# Altium PCB Edison_arduino_5_0826.PcbDoc (part 1 of 6) (continued)
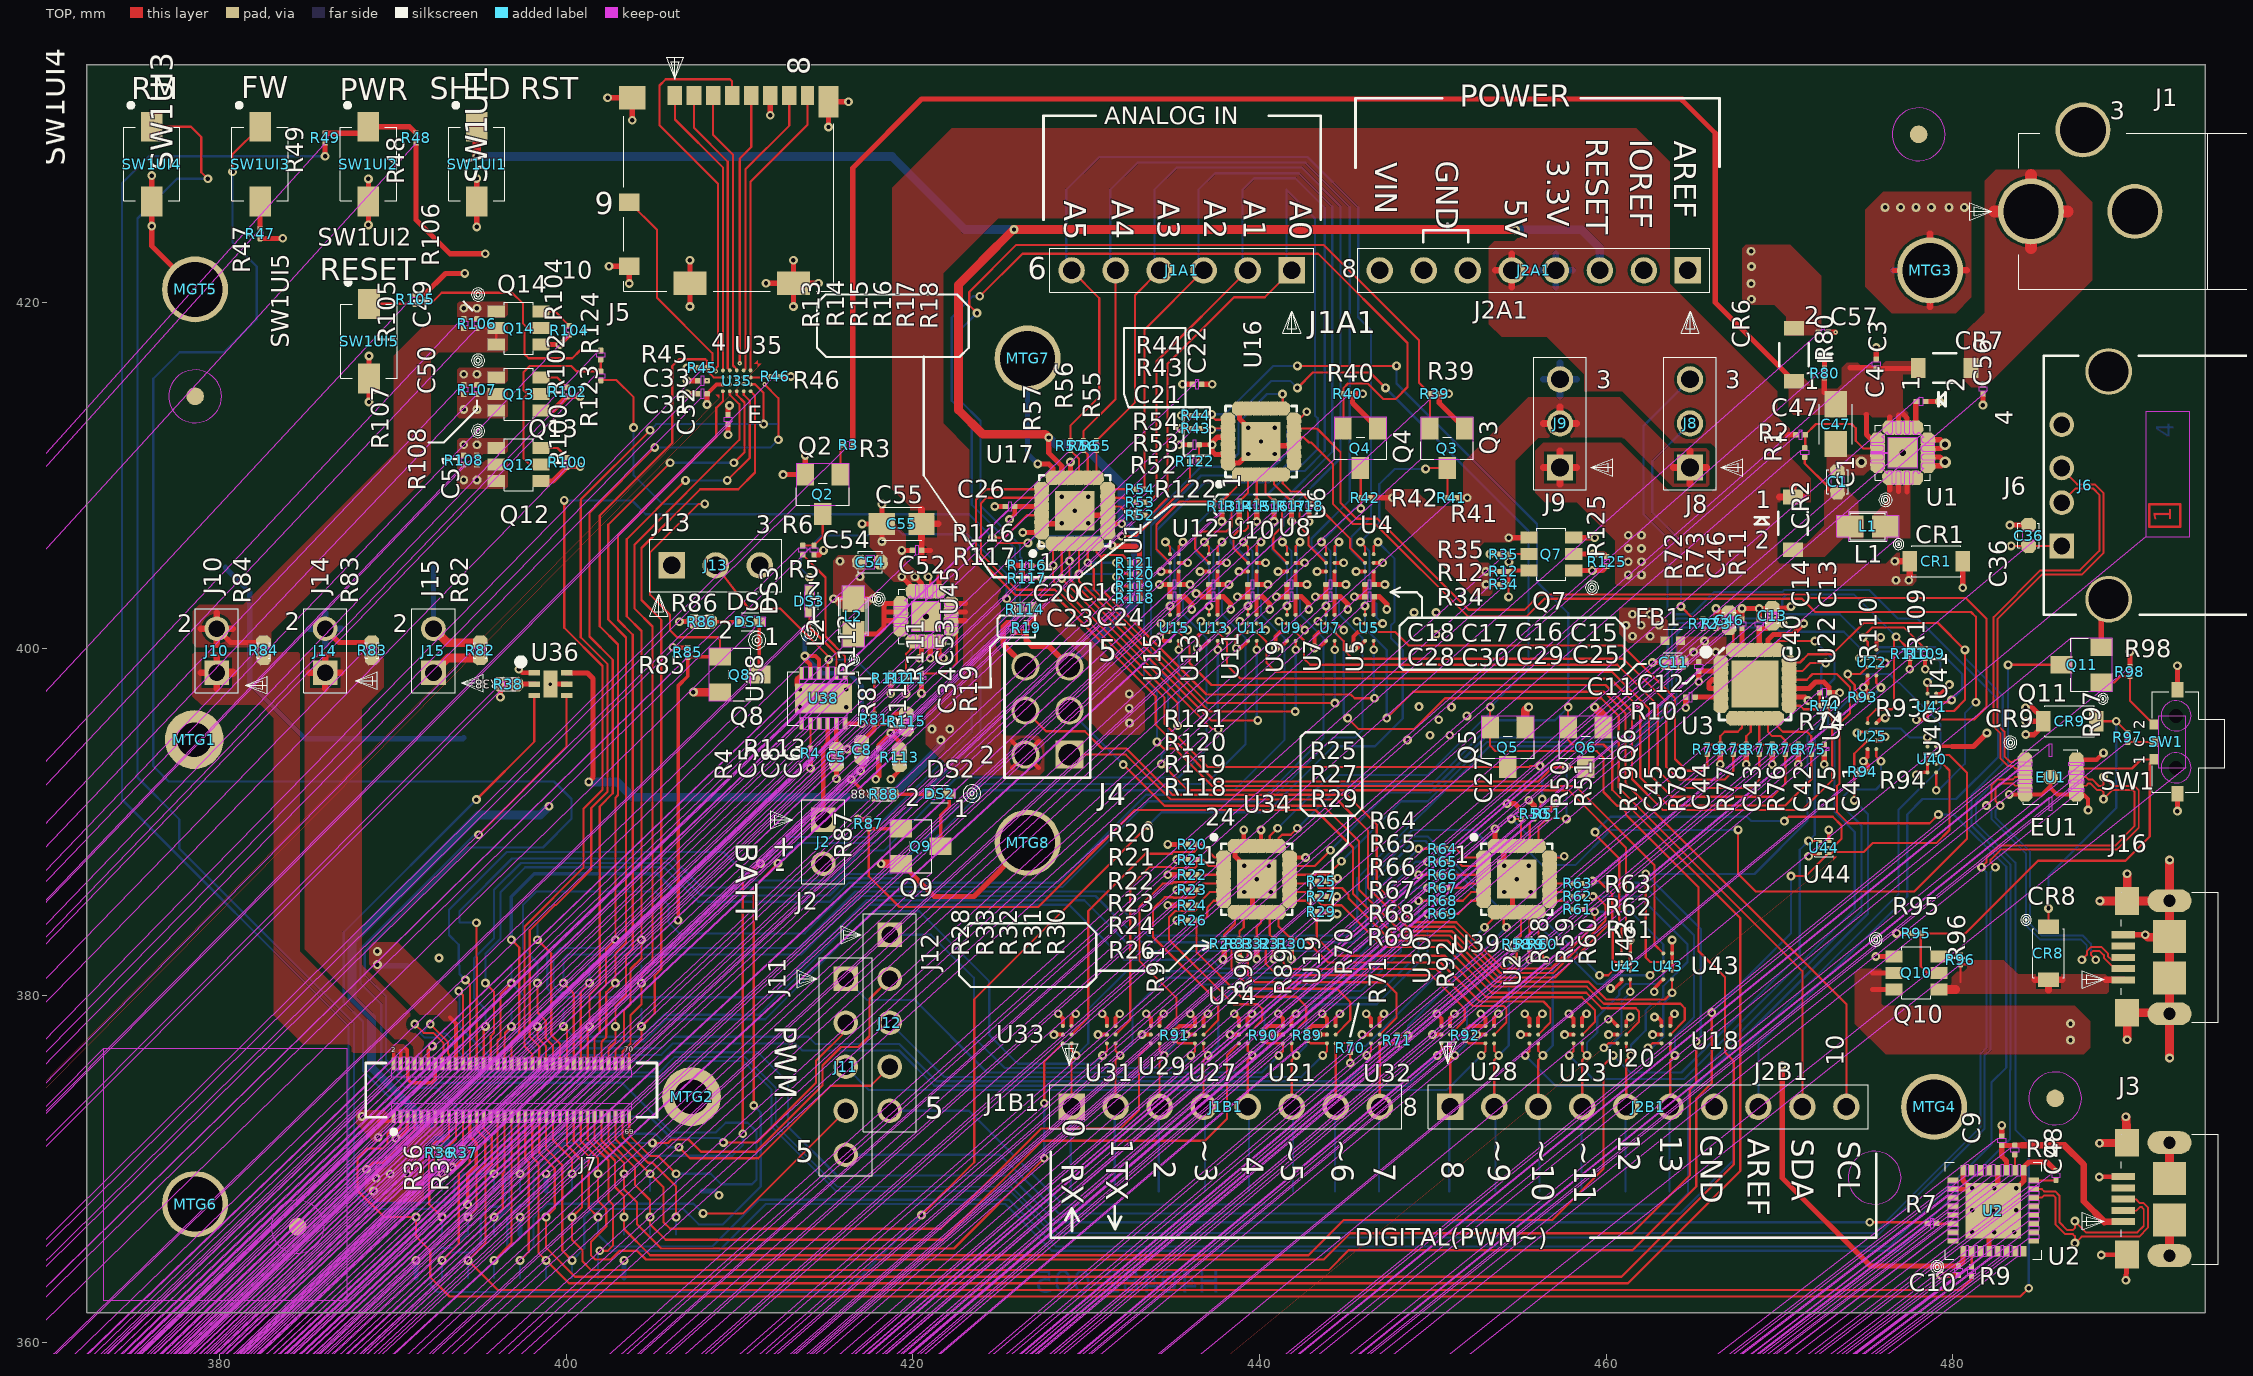
[diagram p0: TOP view]
## Components (designator, comment, footprint, x,y, rotation, side; value= is the part's Value field where it differs from the comment) (continued)
R85 "C80792-002" SMR0201#29 407.01,399.809 r180 top
R86 "RESD,0201,1%,1/20W,562_SMR0402_" SMR0402#3 407.831,401.579 r270 top
R87 "C80792-002" SMR0201#30 417.457,389.903 r180 top
R88 "RESD,0201,1%,1/20W,562_SMR0402_" SMR0402#4 418.325,391.617 r270 top
R89 "C48657-118" SMR0201#8 442.747,377.711 r180 top
R90 "C48657-118" SMR0201#31 440.207,377.711 r180 top
R91 "C48657-118" SMR0201#32 435.102,377.711 r180 top
R92 "C48657-118" SMR0201#33 451.866,377.711 r180 top
R93 "C48657-118" SMR0201#1 474.805,397.221 r90 top
R94 "C48657-118" SMR0201#1 474.805,392.921 r90 top
R95 "C80792-002" SMR0201#1 477.903,383.592 r90 top
R96 "C80792-002" SMR0201#34 480.443,382.068 r180 top
R97 "C80792-002" SMR0201#35 490.095,394.895 r180 top
R98 "C80792-002" SMR0201#1 490.222,398.693 r0 top
R100 "C80792-002" SMR0201#36 400.052,410.77 r180 top
R102 "C80792-002" SMR0201#36 400.052,414.834 r180 top
R104 "C80792-002" SMR0201#36 400.179,418.39 r180 top
R105 "C80792-002" SMR0201#1 391.289,420.168 r0 top
R106 "C80792-002" SMR0201#37 394.845,418.771 r180 top
R107 "C80792-002" SMR0201#37 394.845,414.961 r180 top
R108 "C80792-014" SMR0201#38 394.083,410.897 r180 top
R109 "C80792-002" SMR0201#39 478.411,399.734 r180 top
R110 "C80792-002" SMR0201#40 477.522,399.734 r180 top
R111 "C48657-118" SMR0201#1 419.61,398.324 r0 top
R112 "C48657-088" SMR0201#41 418.721,398.324 r180 top
R113 "C65288-008" SMR0402#2 419.229,393.752 r0 top
R114 "RESD,0201,1%,1/20W,562_SMR0402_" SMR0402#5 426.446,402.292 r90 top
R115 "C65288-008" SMR0402#6 419.623,395.818 r180 top
R116 "C48657-118" SMR0201#42 426.573,404.822 r270 top
R117 "C48657-118" SMR0201#43 426.573,404.072 r270 top
R118 "C48657-118" SMR0201#1 432.806,402.922 r90 top
R119 "C48657-118" SMR0201#1 432.806,403.622 r90 top
R120 "C48657-118" SMR0201#1 432.806,404.322 r90 top
R121 "C48657-118" SMR0201#1 432.806,404.972 r90 top
R122 "C80792-014" SMR0201#1 436.256,410.822 r90 top
R123 "R_0_R0201_0R_C80792-009" R0201#1 401.989,415.756 r0 top
R124 "R_0_R0201_0R_C80792-009" R0201#1 401.989,416.956 r0 top
R125 "C80792-014" SMR0201#44 460.039,405.039 r180 top
SW1 "G99612-001" SW_SSAJ110100_3P 493.524,394.641 r90 top
SW1UI1 "D90553-001" SSW2RPB 394.839,427.971 r0 top
SW1UI2 "D90553-001" SSW2RPB 388.589,427.971 r0 top
SW1UI3 "D90553-001" SSW2RPB 382.339,427.971 r0 top
SW1UI4 "D90553-001" SSW2RPB 376.089,427.971 r0 top
SW1UI5 "D90553-001" SSW2RPB 388.622,417.755 r0 top
TP1 "TESTPAD_30" TP30S 397.139,421.721 r0 bottom
TP2 "TESTPAD_30" TP30S 391.339,363.721 r0 bottom
TP3 "TESTPAD_30" TP30S 380.339,404.721 r0 bottom
TP4 "TESTPAD_30" TP30S 391.339,366.221 r0 bottom
TP5 "TESTPAD_30" TP30S 409.939,396.521 r0 bottom
TP6 "TESTPAD_30" TP30S 389.839,368.721 r0 bottom
TP7 "TESTPAD_30" TP30S 461.039,409.321 r0 bottom
TP8 "TESTPAD_30" TP30S 391.339,368.721 r0 bottom
TP9 "TESTPAD_30" TP30S 386.339,404.721 r0 bottom
TP10 "TESTPAD_30" TP30S 398.839,368.721 r0 bottom
TP11 "TESTPAD_30" TP30S 392.339,404.723 r0 bottom
TP12 "TESTPAD_30" TP30S 397.339,366.221 r0 bottom
TP13 "TESTPAD_30" TP30S 407.839,368.721 r0 bottom
TP14 "TESTPAD_30" TP30S 488.698,392.609 r0 bottom
TP15 "TESTPAD_30" TP30S 403.339,363.721 r0 bottom
TP16 "TESTPAD_30" TP30S 488.698,391.341 r0 bottom
TP17 "TESTPAD_30" TP30S 392.839,366.221 r0 bottom
TP18 "TESTPAD_30" TP30S 390.839,381.721 r0 bottom
TP19 "TESTPAD_30" TP30S 392.839,368.721 r0 bottom
TP20 "TESTPAD_30" TP30S 393.839,379.221 r0 bottom
TP21 "TESTPAD_30" TP30S 392.839,363.721 r0 bottom
TP22 "TESTPAD_30" TP30S 393.839,381.721 r0 bottom
TP23 "TESTPAD_30" TP30S 394.339,368.721 r0 bottom
TP24 "TESTPAD_30" TP30S 393.839,384.221 r0 bottom
TP25 "TESTPAD_30" TP30S 394.339,366.221 r0 bottom
TP26 "TESTPAD_30" TP30S 395.339,379.221 r0 bottom
TP27 "TESTPAD_30" TP30S 394.339,363.721 r0 bottom
TP28 "TESTPAD_30" TP30S 395.339,381.721 r0 bottom
TP29 "TESTPAD_30" TP30S 396.839,381.721 r0 bottom
TP30 "TESTPAD_30" TP30S 395.839,368.721 r0 bottom
TP31 "TESTPAD_30" TP30S 396.839,379.221 r0 bottom
TP32 "TESTPAD_30" TP30S 395.839,366.221 r0 bottom
TP33 "TESTPAD_30" TP30S 396.839,384.221 r0 bottom
TP34 "TESTPAD_30" TP30S 395.839,363.721 r0 bottom
TP35 "TESTPAD_30" TP30S 397.339,368.721 r0 bottom
TP36 "TESTPAD_30" TP30S 397.339,363.721 r0 bottom
TP37 "TESTPAD_30" TP30S 398.839,363.721 r0 bottom
TP38 "TESTPAD_30" TP30S 398.839,366.221 r0 bottom
TP39 "TESTPAD_30" TP30S 398.339,379.221 r0 bottom
TP40 "TESTPAD_30" TP30S 400.339,363.721 r0 bottom
TP41 "TESTPAD_30" TP30S 398.339,381.721 r0 bottom
TP42 "TESTPAD_30" TP30S 400.339,368.721 r0 bottom
TP43 "TESTPAD_30" TP30S 398.339,384.221 r0 bottom
TP44 "TESTPAD_30" TP30S 399.839,379.221 r0 bottom
TP45 "TESTPAD_30" TP30S 400.339,366.221 r0 bottom
TP46 "TESTPAD_30" TP30S 399.839,381.721 r0 bottom
TP47 "TESTPAD_30" TP30S 401.839,366.221 r0 bottom
TP48 "TESTPAD_30" TP30S 401.339,381.721 r0 bottom
TP49 "TESTPAD_30" TP30S 401.839,368.721 r0 bottom
TP50 "TESTPAD_30" TP30S 401.339,379.221 r0 bottom
TP51 "TESTPAD_30" TP30S 401.839,363.721 r0 bottom
TP52 "TESTPAD_30" TP30S 402.839,384.221 r0 bottom
TP53 "TESTPAD_30" TP30S 403.339,366.221 r0 bottom
TP54 "TESTPAD_30" TP30S 402.839,381.721 r0 bottom
TP55 "TESTPAD_30" TP30S 403.339,368.721 r0 bottom
TP56 "TESTPAD_30" TP30S 402.839,379.221 r0 bottom
TP57 "TESTPAD_30" TP30S 404.839,366.221 r0 bottom
TP58 "TESTPAD_30" TP30S 404.339,384.221 r0 bottom
TP59 "TESTPAD_30" TP30S 404.839,368.721 r0 bottom
TP60 "TESTPAD_30" TP30S 404.339,381.721 r0 bottom
TP61 "TESTPAD_30" TP30S 406.339,366.221 r0 bottom
TP62 "TESTPAD_30" TP30S 404.339,379.221 r0 bottom
TP63 "TESTPAD_30" TP30S 406.339,368.721 r0 bottom
TP64 "TESTPAD_30" TP30S 441.554,426.491 r0 bottom
TP65 "TESTPAD_30" TP30S 439.014,426.491 r0 bottom
TP66 "TESTPAD_30" TP30S 436.474,426.491 r0 bottom
TP67 "TESTPAD_30" TP30S 433.934,426.491 r0 bottom
TP68 "TESTPAD_30" TP30S 431.394,426.491 r0 bottom
TP69 "TESTPAD_30" TP30S 428.854,426.491 r0 bottom
TP70 "TESTPAD_30" TP30S 429.108,368.706 r0 bottom
TP71 "TESTPAD_30" TP30S 431.648,368.706 r0 bottom
TP72 "TESTPAD_30" TP30S 434.188,368.706 r0 bottom
TP73 "TESTPAD_30" TP30S 436.855,368.706 r0 bottom
TP74 "TESTPAD_30" TP30S 439.395,368.706 r0 bottom
TP75 "TESTPAD_30" TP30S 441.935,368.706 r0 bottom
TP76 "TESTPAD_30" TP30S 444.348,368.706 r0 bottom
TP77 "TESTPAD_30" TP30S 446.888,368.706 r0 bottom
TP78 "TESTPAD_30" TP30S 450.952,368.706 r0 bottom
TP79 "TESTPAD_30" TP30S 453.619,368.706 r0 bottom
TP80 "TESTPAD_30" TP30S 456.159,368.706 r0 bottom
TP81 "TESTPAD_30" TP30S 458.572,368.706 r0 bottom
TP82 "TESTPAD_30" TP30S 461.112,368.706 r0 bottom
TP83 "TESTPAD_30" TP30S 463.652,368.706 r0 bottom
TP84 "TESTPAD_30" TP30S 413.768,400.61 r0 bottom
TP85 "TESTPAD_30" TP30S 487.047,366.989 r0 bottom
TP86 "TESTPAD_30" TP30S 487.047,365.719 r0 bottom
TP87 "TESTPAD_30" TP30S 412.189,412.972 r0 bottom
TP88 "TESTPAD_30" TP30S 422.489,407.772 r180 bottom
U1 "TPS62133_0_LCC16_3X3MM_67DIE_39" LCC16_3X3MM_67DIE_39H#1 477.113,411.322 r90 top
U2 "FT232R_0_LCC32_P5MM_3P2SQ_NONC_" LCC32_P5MM_3P2SQ_NONC 482.348,367.59 r90 top
U3 "ADS7959_0_QFN24P_5M_4X4M_ADS795" QFN24P_5M_4X4M 468.589,397.971 r0 top
U4 "G42189-001" BGA6_5MM_37X57 446.339,404.971 r180 top
U5 "LVC2G53" BGA8P_5MG2X4 446.339,401.221 r0 top
U6 "G42189-001" BGA6_5MM_37X57 444.089,404.971 r180 top
U7 "LVC2G53" BGA8P_5MG2X4 444.089,401.221 r0 top
U8 "G42189-001" BGA6_5MM_37X57 441.839,404.971 r180 top
U9 "LVC2G53" BGA8P_5MG2X4 441.839,401.221 r0 top
U10 "G42189-001" BGA6_5MM_37X57 439.589,404.971 r180 top
U11 "LVC2G53" BGA8P_5MG2X4 439.589,401.221 r0 top
U12 "G42189-001" BGA6_5MM_37X57 437.339,404.971 r180 top
U13 "LVC2G53" BGA8P_5MG2X4 437.339,401.221 r0 top
U14 "G42189-001" BGA6_5MM_37X57 435.089,404.971 r180 top
U15 "LVC2G53" BGA8P_5MG2X4 435.089,401.221 r0 top
U16 "H31921-001" LCC25_S41_5DF89X89MA#1 440.089,411.971 r90 top
U17 "H47895-001" LCC25_S41_5DF89X89MA#1 429.339,407.971 r90 top
U18 "G42189-001" BGA6_5MM_37X57 463.448,377.749 r0 top
U19 "G42189-001" BGA6_5MM_37X57 444.144,377.749 r0 top
U20 "G42189-001" BGA6_5MM_37X57 460.908,377.749 r0 top
U21 "G42189-001" BGA6_5MM_37X57 441.604,377.749 r0 top
U22 "LVC2G53" BGA8P_5MG2X4 475.339,399.221 r180 top
U23 "G42189-001" BGA6_5MM_37X57 458.368,377.749 r0 top
U24 "G42189-001" BGA6_5MM_37X57 439.064,377.749 r0 top
U25 "LVC2G53" BGA8P_5MG2X4 475.339,394.971 r180 top
U26 "G42189-001" BGA6_5MM_37X57 455.828,377.749 r0 top
U27 "G42189-001" BGA6_5MM_37X57 436.524,377.749 r0 top
U28 "G42189-001" BGA6_5MM_37X57 453.288,377.749 r0 top
U29 "G42189-001" BGA6_5MM_37X57 433.984,377.749 r0 top
U30 "G42189-001" BGA6_5MM_37X57 450.748,377.749 r0 top
U31 "G42189-001" BGA6_5MM_37X57 431.444,377.749 r0 top
U32 "G42189-001" BGA6_5MM_37X57 446.684,377.749 r0 top
U33 "G42189-001" BGA6_5MM_37X57 428.904,377.749 r0 top
U34 "H31921-001" LCC25_S41_5DF89X89MA#2 439.839,386.721 r0 top
U35 "TXS0206" BGA20_P4MM_1P96X1P56 409.839,415.471 r90 top
U36 "IC,MIC2039,USBPWRSWTCH_0_DFN6P_" DFN6P_65M_2X2M 399.089,397.971 r0 top
U38 "G38734-001" LCC12_P5MM_3X4MM 414.838,397.151 r180 top
U39 "H47895-001" LCC25_S41_5DF89X89MA#2 454.839,386.721 r0 top
U40 "LVC2G53" BGA8P_5MG2X4 478.792,393.625 r0 top
U41 "LVC2G53" BGA8P_5MG2X4 478.792,396.673 r0 top
U42 "LVC2G53" BGA8P_5MG2X4 461.139,381.687 r180 top
U43 "LVC2G53" BGA8P_5MG2X4 463.552,381.687 r180 top
U44 "H22984-001" LCC6_P35MM_SQ1P0_NONC_P5H 472.569,388.545 r90 top
U45 "TPS62133_0_LCC16_3X3MM_67DIE__1" LCC16_3X3MM_67DIE_39H#2 420.753,401.88 r0 top

## Footprints (in the part's own frame and the unit in brackets; to place one, negate y for a bottom-side part, rotate by r counter-clockwise, add the part's x,y. Pads: shape width x height; smd on the part's side, far side on the other; paste and mask are expansions set on the pad)
1X6RCPT_2P54_VT_TH [mil] "1X6RCPT_2P54_VT_TH"
  rect 60x60 hole 40: 1(-250,0)
  round 60 hole 40: 2(-150,0) 3(-50,0) 4(50,0) 5(150,0) 6(250,0)
  silkscreen extent -300,-50 300,143
1X8RCPT_2P54_VT_TH [mil] "1X8RCPT_2P54_VT_TH"
  rect 60x60 hole 40: 1(-350,0)
  round 60 hole 40: 2(-250,0) 3(-150,0) 4(-50,0) 5(50,0) 6(150,0) 7(250,0) 8(350,0)
  silkscreen extent -400,-50 400,143
1X10RCPT_2P54_VT_TH [mil] "1X10RCPT_2P54_VT_TH"
  rect 60x60 hole 40: 1(-450,0)
  round 60 hole 40: 2(-350,0) 3(-250,0) 4(-150,0) 5(-50,0) 6(50,0) 7(150,0) 8(250,0) 9(350,0) 10(450,0)
  silkscreen extent -500,-50 500,148
2X35_P4MM_BTB_AXT_SKT_MB [mm] "2X35_P4MM_BTB_AXT_SKT_MB"
  rect 0.22x0.727 smd: 1(-6.8,-1.529) 2(-6.8,1.529) 3(-6.4,-1.529) 4(-6.4,1.529) 5(-6,-1.529) 6(-6,1.529) 7(-5.6,-1.529) 8(-5.6,1.529) 9(-5.2,-1.529) 10(-5.2,1.529) 11(-4.8,-1.529) 12(-4.8,1.529) 13(-4.4,-1.529) 14(-4.4,1.529) 15(-4,-1.529) 16(-4,1.529) 17(-3.6,-1.529) 18(-3.6,1.529) 19(-3.2,-1.529) 20(-3.2,1.529) 21(-2.8,-1.529) 22(-2.8,1.529) 23(-2.4,-1.529) 24(-2.4,1.529) 25(-2,-1.529) 26(-2,1.529) 27(-1.6,-1.529) 28(-1.6,1.529) 29(-1.2,-1.529) 30(-1.2,1.529) 31(-0.8,-1.529) 32(-0.8,1.529) 33(-0.4,-1.529) 34(-0.4,1.529) 35(0,-1.529) 36(0,1.529) 37(0.4,-1.529) 38(0.4,1.529) 39(0.8,-1.529) 40(0.8,1.529) 41(1.2,-1.529) 42(1.2,1.529) 43(1.6,-1.529) 44(1.6,1.529) 45(2,-1.529) 46(2,1.529) 47(2.4,-1.529) 48(2.4,1.529) 49(2.8,-1.529) 50(2.8,1.529) 51(3.2,-1.529) 52(3.2,1.529) 53(3.6,-1.529) 54(3.6,1.529) 55(4,-1.529) 56(4,1.529) 57(4.4,-1.529) 58(4.4,1.529) 59(4.8,-1.529) 60(4.8,1.529) 61(5.2,-1.529) 62(5.2,1.529) 63(5.6,-1.529) 64(5.6,1.529) 65(6,-1.529) 66(6,1.529) 67(6.4,-1.529) 68(6.4,1.529) 69(6.8,-1.529) 70(6.8,1.529)
  TOP keep-out region: 6.51,-1.893 6.51,-1.165 6.69,-1.165 6.69,-1.893 6.51,-1.893 -396.839,-374.544
  TOP keep-out region: 6.51,1.892 6.51,1.165 6.69,1.165 6.69,1.892 6.51,1.892 -396.839,-374.544
  TOP keep-out region: 6.11,-1.893 6.11,-1.165 6.29,-1.165 6.29,-1.893 6.11,-1.893 -396.839,-374.544
  TOP keep-out region: 6.11,1.892 6.11,1.165 6.29,1.165 6.29,1.892 6.11,1.892 -396.839,-374.544
  TOP keep-out region: 5.71,-1.893 5.71,-1.165 5.89,-1.165 5.89,-1.893 5.71,-1.893 -396.839,-374.544
  TOP keep-out region: 5.71,1.892 5.71,1.165 5.89,1.165 5.89,1.892 5.71,1.892 -396.839,-374.544
  TOP keep-out region: 5.31,-1.893 5.31,-1.165 5.49,-1.165 5.49,-1.893 5.31,-1.893 -396.839,-374.544
  TOP keep-out region: 5.31,1.892 5.31,1.165 5.49,1.165 5.49,1.892 5.31,1.892 -396.839,-374.544
  TOP keep-out region: 4.91,-1.893 4.91,-1.165 5.09,-1.165 5.09,-1.893 4.91,-1.893 -396.839,-374.544
  TOP keep-out region: 4.91,1.892 4.91,1.165 5.09,1.165 5.09,1.892 4.91,1.892 -396.839,-374.544
  TOP keep-out region: 4.51,-1.893 4.51,-1.165 4.69,-1.165 4.69,-1.893 4.51,-1.893 -396.839,-374.544
  TOP keep-out region: 4.51,1.892 4.51,1.165 4.69,1.165 4.69,1.892 4.51,1.892 -396.839,-374.544
  TOP keep-out region: 4.11,-1.893 4.11,-1.165 4.29,-1.165 4.29,-1.893 4.11,-1.893 -396.839,-374.544
  TOP keep-out region: 4.11,1.892 4.11,1.165 4.29,1.165 4.29,1.892 4.11,1.892 -396.839,-374.544
  TOP keep-out region: 3.71,-1.893 3.71,-1.165 3.89,-1.165 3.89,-1.893 3.71,-1.893 -396.839,-374.544
  TOP keep-out region: 3.71,1.892 3.71,1.165 3.89,1.165 3.89,1.892 3.71,1.892 -396.839,-374.544
  TOP keep-out region: 3.31,-1.893 3.31,-1.165 3.49,-1.165 3.49,-1.893 3.31,-1.893 -396.839,-374.544
  TOP keep-out region: 3.31,1.892 3.31,1.165 3.49,1.165 3.49,1.892 3.31,1.892 -396.839,-374.544
  TOP keep-out region: 2.91,-1.893 2.91,-1.165 3.09,-1.165 3.09,-1.893 2.91,-1.893 -396.839,-374.544
  TOP keep-out region: 2.91,1.892 2.91,1.165 3.09,1.165 3.09,1.892 2.91,1.892 -396.839,-374.544
  TOP keep-out region: 2.51,-1.893 2.51,-1.165 2.69,-1.165 2.69,-1.893 2.51,-1.893 -396.839,-374.544
  TOP keep-out region: 2.51,1.892 2.51,1.165 2.69,1.165 2.69,1.892 2.51,1.892 -396.839,-374.544
  TOP keep-out region: 2.11,-1.893 2.11,-1.165 2.29,-1.165 2.29,-1.893 2.11,-1.893 -396.839,-374.544
  TOP keep-out region: 2.11,1.892 2.11,1.165 2.29,1.165 2.29,1.892 2.11,1.892 -396.839,-374.544
  TOP keep-out region: 1.71,-1.893 1.71,-1.165 1.89,-1.165 1.89,-1.893 1.71,-1.893 -396.839,-374.544
  TOP keep-out region: 1.71,1.892 1.71,1.165 1.89,1.165 1.89,1.892 1.71,1.892 -396.839,-374.544
  TOP keep-out region: 1.31,-1.893 1.31,-1.165 1.49,-1.165 1.49,-1.893 1.31,-1.893 -396.839,-374.544
  TOP keep-out region: 1.31,1.892 1.31,1.165 1.49,1.165 1.49,1.892 1.31,1.892 -396.839,-374.544
  TOP keep-out region: 0.91,-1.893 0.91,-1.165 1.09,-1.165 1.09,-1.893 0.91,-1.893 -396.839,-374.544
  TOP keep-out region: 0.91,1.892 0.91,1.165 1.09,1.165 1.09,1.892 0.91,1.892 -396.839,-374.544
  TOP keep-out region: 0.51,-1.893 0.51,-1.165 0.69,-1.165 0.69,-1.893 0.51,-1.893 -396.839,-374.544
  TOP keep-out region: 0.51,1.892 0.51,1.165 0.69,1.165 0.69,1.892 0.51,1.892 -396.839,-374.544
  TOP keep-out region: 0.11,-1.893 0.11,-1.165 0.29,-1.165 0.29,-1.893 0.11,-1.893 -396.839,-374.544
  TOP keep-out region: 0.11,1.892 0.11,1.165 0.29,1.165 0.29,1.892 0.11,1.892 -396.839,-374.544
  TOP keep-out region: -0.29,-1.893 -0.29,-1.165 -0.11,-1.165 -0.11,-1.893 -0.29,-1.893 -396.839,-374.544
  TOP keep-out region: -0.29,1.892 -0.29,1.165 -0.11,1.165 -0.11,1.892 -0.29,1.892 -396.839,-374.544
  TOP keep-out region: -0.69,-1.893 -0.69,-1.165 -0.51,-1.165 -0.51,-1.893 -0.69,-1.893 -396.839,-374.544
  TOP keep-out region: -0.69,1.892 -0.69,1.165 -0.51,1.165 -0.51,1.892 -0.69,1.892 -396.839,-374.544
  TOP keep-out region: -1.09,-1.893 -1.09,-1.165 -0.91,-1.165 -0.91,-1.893 -1.09,-1.893 -396.839,-374.544
  TOP keep-out region: -1.09,1.892 -1.09,1.165 -0.91,1.165 -0.91,1.892 -1.09,1.892 -396.839,-374.544
  TOP keep-out region: -1.49,-1.893 -1.49,-1.165 -1.31,-1.165 -1.31,-1.893 -1.49,-1.893 -396.839,-374.544
  TOP keep-out region: -1.49,1.892 -1.49,1.165 -1.31,1.165 -1.31,1.892 -1.49,1.892 -396.839,-374.544
  TOP keep-out region: -1.89,-1.893 -1.89,-1.165 -1.71,-1.165 -1.71,-1.893 -1.89,-1.893 -396.839,-374.544
  TOP keep-out region: -1.89,1.892 -1.89,1.165 -1.71,1.165 -1.71,1.892 -1.89,1.892 -396.839,-374.544
  TOP keep-out region: -2.29,-1.893 -2.29,-1.165 -2.11,-1.165 -2.11,-1.893 -2.29,-1.893 -396.839,-374.544
  TOP keep-out region: -2.29,1.892 -2.29,1.165 -2.11,1.165 -2.11,1.892 -2.29,1.892 -396.839,-374.544
  TOP keep-out region: -2.69,-1.893 -2.69,-1.165 -2.51,-1.165 -2.51,-1.893 -2.69,-1.893 -396.839,-374.544
  TOP keep-out region: -2.69,1.892 -2.69,1.165 -2.51,1.165 -2.51,1.892 -2.69,1.892 -396.839,-374.544
  TOP keep-out region: -3.09,-1.893 -3.09,-1.165 -2.91,-1.165 -2.91,-1.893 -3.09,-1.893 -396.839,-374.544
  TOP keep-out region: -3.09,1.892 -3.09,1.165 -2.91,1.165 -2.91,1.892 -3.09,1.892 -396.839,-374.544
  TOP keep-out region: -3.49,-1.893 -3.49,-1.165 -3.31,-1.165 -3.31,-1.893 -3.49,-1.893 -396.839,-374.544
  TOP keep-out region: -3.49,1.892 -3.49,1.165 -3.31,1.165 -3.31,1.892 -3.49,1.892 -396.839,-374.544
  TOP keep-out region: -3.89,-1.893 -3.89,-1.165 -3.71,-1.165 -3.71,-1.893 -3.89,-1.893 -396.839,-374.544
  TOP keep-out region: -3.89,1.892 -3.89,1.165 -3.71,1.165 -3.71,1.892 -3.89,1.892 -396.839,-374.544
  TOP keep-out region: -4.29,-1.893 -4.29,-1.165 -4.11,-1.165 -4.11,-1.893 -4.29,-1.893 -396.839,-374.544
  TOP keep-out region: -4.29,1.892 -4.29,1.165 -4.11,1.165 -4.11,1.892 -4.29,1.892 -396.839,-374.544
  TOP keep-out region: -4.69,-1.893 -4.69,-1.165 -4.51,-1.165 -4.51,-1.893 -4.69,-1.893 -396.839,-374.544
  TOP keep-out region: -4.69,1.892 -4.69,1.165 -4.51,1.165 -4.51,1.892 -4.69,1.892 -396.839,-374.544
  TOP keep-out region: -5.09,-1.893 -5.09,-1.165 -4.91,-1.165 -4.91,-1.893 -5.09,-1.893 -396.839,-374.544
  TOP keep-out region: -5.09,1.892 -5.09,1.165 -4.91,1.165 -4.91,1.892 -5.09,1.892 -396.839,-374.544
  TOP keep-out region: -5.49,-1.893 -5.49,-1.165 -5.31,-1.165 -5.31,-1.893 -5.49,-1.893 -396.839,-374.544
  TOP keep-out region: -5.49,1.892 -5.49,1.165 -5.31,1.165 -5.31,1.892 -5.49,1.892 -396.839,-374.544
  TOP keep-out region: -5.89,-1.893 -5.89,-1.165 -5.71,-1.165 -5.71,-1.893 -5.89,-1.893 -396.839,-374.544
  TOP keep-out region: -5.89,1.892 -5.89,1.165 -5.71,1.165 -5.71,1.892 -5.89,1.892 -396.839,-374.544
  TOP keep-out region: -6.29,-1.893 -6.29,-1.165 -6.11,-1.165 -6.11,-1.893 -6.29,-1.893 -396.839,-374.544
  TOP keep-out region: -6.29,1.892 -6.29,1.165 -6.11,1.165 -6.11,1.892 -6.29,1.892 -396.839,-374.544
  TOP keep-out region: -6.69,-1.893 -6.69,-1.165 -6.51,-1.165 -6.51,-1.893 -6.69,-1.893 -396.839,-374.544
  TOP keep-out region: -6.69,1.892 -6.69,1.165 -6.51,1.165 -6.51,1.892 -6.69,1.892 -396.839,-374.544
  TOP keep-out region: -6.91,0.75 -6.91,1.165 6.91,1.165 6.91,0.75 -6.91,0.75 -396.839,-374.544
  TOP keep-out region: -6.91,-1.165 -6.91,-0.75 6.91,-0.75 6.91,-1.165 -6.91,-1.165 -396.839,-374.544
  silkscreen extent -8.4,-2.53 8.4,1.57
102276-001 [mil] "102276-001"
  rect 56x56 hole 38: 1(0,50)
  round 56 hole 38: 2(0,-50)
  silkscreen extent -120,-95 49,95
102276-003 [mil] "102276-003"
  rect 60x60 hole 40: 1(-2.5,102.5)
  round 60 hole 40: 2(-2.5,2.5) 3(-2.5,-97.5)
  silkscreen extent -123,-147 58,152
102276-005 [mil] "102276-005"
  rect 56x56 hole 38: 1(0,200)
  round 56 hole 38: 2(0,100) 3(0,0) 4(0,-100) 5(0,-200)
  silkscreen extent -110,-248 60,248
BGA6_5MM_37X57 [mil] "BGA6_5MM_37X57"
  round 9 smd: A1(-9.9,19.7) A2(9.9,19.7) B1(-9.9,0) B2(9.9,0) C1(-9.9,-19.7) C2(9.9,-19.7)
  silkscreen extent -47,20 -31,36
BGA8P_5MG2X4 [mm] "BGA8P_5MG2X4"
  round 0.229 smd: A1(-0.25,0.75) A2(0.25,0.75) B1(-0.25,0.25) B2(0.25,0.25) C1(-0.25,-0.25) C2(0.25,-0.25) D1(-0.25,-0.75) D2(0.25,-0.75)
BGA20_P4MM_1P96X1P56 [mil] "BGA20_P4MM_1P96X1P56"
  round 9 smd: A1(-23.63,31.5) A2(-7.88,31.5) A3(7.88,31.5) A4(23.63,31.5) B1(-23.63,15.75) B2(-7.88,15.75) B3(7.88,15.75) B4(23.63,15.75) C1(-23.63,0) C2(-7.88,0) C3(7.88,0) C4(23.63,0) D1(-23.63,-15.75) D2(-7.88,-15.75) D3(7.88,-15.75) D4(23.63,-15.75) E1(-23.63,-31.5) E2(-7.88,-31.5) E3(7.88,-31.5) E4(23.63,-31.5)
  TOP region: 30.63,-47.37 38.5,-47.37 38.5,-39.5 46.37,-47.37 38.53,-47.37 38.5,-47.4 38.5,-55.24 30.63,-47.37 -16357.14,16135.38
  TOP region: -39.37,39.37 -31.55,39.37 -31.51,39.37 -31.5,39.37 -31.5,39.39 -31.5,39.43 -31.5,47.24 -39.37,39.37 -16357.14,16135.38
C0201#1 [mil] "C0201"
  rrect33% 12x13 smd: 1(0,10.5) 2(0,-10.5)
  TOP keep-out region: -10,4 -10,-4 10,-4 10,4 -10,4 -18723.96,-16395.85
C0201#2 [mil] "C0201"
  rrect33% 12x13 smd: 1(0,10.5) 2(0,-10.5)
  TOP keep-out region: -10,4 -10,-4 10,-4 10,4 -10,4 16458.04,15511.22
C0201#3 [mil] "C0201"
  rrect33% 12x13 smd: 1(0,10.5) 2(0,-10.5)
  TOP keep-out region: -10,4 -10,-4 10,-4 10,4 -10,4 18910.54,14335.71
C0201#4 [mil] "C0201"
  rrect33% 12x13 smd: 1(0,10.5) 2(0,-10.5)
  TOP keep-out region: -10,4 -10,-4 10,-4 10,4 -10,4 18320.42,15708.19
C0201#5 [mil] "C0201"
  rrect33% 12x13 smd: 1(0,10.5) 2(0,-10.5)
  TOP keep-out region: -10,4 -10,-4 10,-4 10,4 -10,4 16349.31,-17180.78
C0201#6 [mil] "C0201"
  rrect33% 12x13 smd: 1(0,10.5) 2(0,-10.5)
  TOP keep-out region: -10,4 -10,-4 10,-4 10,4 -10,4 16115.69,16269.22
C0201#7 [mil] "C0201"
  rrect33% 12x13 smd: 1(0,10.5) 2(0,-10.5)
  TOP keep-out region: -10,4 -10,-4 10,-4 10,4 -10,4 18966.12,16338.15
CONN4_D23040001 [mil] "CONN4_D23040001"
  rect 56x56 hole 38: 1(-137.75,235.9)
  round 56 hole 38: 2(-39.32,235.9) 3(39.42,235.9) 4(137.85,235.9)
  round 106 hole 91: MH1(-258.65,129.2) MH2(258.65,129.2)
  silkscreen extent -16120,-276 294,19381
CONN6_H18587001 [mil] "CONN6_H18587001"
  rect 64x64 hole 49: 1(-50,100)
  round 64 hole 49: 2(50,100) 3(-50,0) 4(50,0) 5(-50,-100) 6(50,-100)
  silkscreen extent -159,-152 16841,15608
CONN_SDCARD_8P_PP [mil] "CONN_SDCARD_8P_PP"
  rect 33x43 smd: 1(122.23,-158.52) 2(78.93,-158.52) 3(35.62,-158.52) 4(-7.69,-158.52) 5(-50.99,-158.52) 6(-94.3,-158.52) 7(-137.61,-158.52)
  rect 30x43 smd: 8(-178.95,-158.52)
  rect 47x39 smd: 9(225.97,83.61) 10(225.97,229.28)
  rect 61x53 smd: G1(219.08,-153.59)
  rect 46x71 smd: G2(-226.58,-144.74)
  rect 75x53 smd: G3(-146.86,267.67) G4(88.18,267.67)
  silkscreen extent -238,-246 238,286
DFN6P_65M_2X2M [mil] "DFN6P_65M_2X2M"
  rect 26x12 smd: 1(-36.62,25.59) 2(-36.62,0) 3(-36.62,-25.59) 4(36.62,-25.59) 5(36.62,0) 6(36.62,25.59)
  rect 31x61 smd: 7(0,0)
  silkscreen extent -75,43 -60,58
JK_3P_RA [mil] "JK_3P_RA"
  round 150 hole 125: 1(41.43,-232.18)
  round 125 hole 105: 2(41.43,4.04) 3(-143.61,-114.07)
  silkscreen extent -136,-371 219,307
LCC6_P35MM_SQ1P0_NONC_P5H [mm] "LCC6_P35MM_SQ1P0_NONC_P5H"
  rect 0.16x0.36 smd: 1(-0.35,-0.25)
  rect 0.16x0.31 smd: 2(0,-0.275) 3(0.35,-0.275) 4(0.35,0.275) 5(0,0.275) 6(-0.35,0.275)
  TOP region: -0.525,-0.725 -0.525,-0.526 -0.525,-0.525 -0.525,-0.525 -0.525,-0.525 -0.525,-0.525 -0.525,-0.525 -0.526,-0.525 -0.725,-0.525 -0.525,-0.725 -388.545,472.569
  silkscreen extent -0.53,-0.53 0.53,0.53
LCC10_P5MM_EP65X94 [mm] "LCC10_P5MM_EP65X94"
  oct 0.846x0.846 smd rot 3: 1(-1.48,1) 2(-1.48,0.5) 3(-1.48,0) 4(-1.48,-0.5) 5(-1.48,-1) 6(1.479,-1) 7(1.479,-0.5) 8(1.479,0) 9(1.479,0.5) 10(1.479,1) 11(-0.006,0)
  TOP keep-out region: -0.113,-1.201 -0.113,-1.905 0.1,-1.905 0.1,-1.201 -0.113,-1.201 -485.65,-392.609
  TOP keep-out region: -0.113,1.905 -0.113,1.201 0.1,1.201 0.1,1.905 -0.113,1.905 -485.65,-392.609
  TOP keep-out region: 1.899,-0.646 1.899,-0.854 1.048,-0.854 1.048,-0.646 1.899,-0.646 -485.65,-392.609
  TOP keep-out region: 1.899,-0.146 1.899,-0.355 1.048,-0.355 1.048,-0.146 1.899,-0.146 -485.65,-392.609
  TOP keep-out region: 1.899,0.353 1.899,0.145 1.048,0.145 1.048,0.353 1.899,0.353 -485.65,-392.609
  TOP keep-out region: -1.899,-0.646 -1.899,-0.854 -1.061,-0.854 -1.061,-0.646 -1.899,-0.646 -485.65,-392.609
  TOP keep-out region: -1.899,-0.146 -1.899,-0.355 -1.061,-0.355 -1.061,-0.146 -1.899,-0.146 -485.65,-392.609
  TOP keep-out region: -1.899,0.353 -1.899,0.145 -1.061,0.145 -1.061,0.353 -1.899,0.353 -485.65,-392.609
  TOP keep-out region: 1.899,0.853 1.899,0.645 1.048,0.645 1.048,0.853 1.899,0.853 -485.65,-392.609
  TOP keep-out region: -1.899,0.853 -1.899,0.645 -1.061,0.645 -1.061,0.853 -1.899,0.853 -485.65,-392.609
  silkscreen extent -2.71,-1.57 1.57,2.37
LCC12_P5MM_3X4MM [mil] "LCC12_P5MM_3X4MM"
  rect 10x28 smd: 1(-49.25,-57.3) 2(-29.55,-57.3) 3(-9.85,-57.3) 4(9.85,-57.3) 5(29.55,-57.3) 6(49.15,-57.3) 7(49.15,57.3) 8(29.55,57.3) 9(9.85,57.3) 10(-9.85,57.3) 11(-29.55,57.3) 12(-49.25,57.3)
  rect 130x67 smd: 13(-0.05,0)
  TOP keep-out region: -54.25,-43.3 -54.25,-33.5 54.25,-33.5 54.25,-43.3 -54.25,-43.3 16332.19,15635.87
  TOP keep-out region: -54.25,43.3 -54.25,33.5 54.25,33.5 54.25,43.3 -54.25,43.3 16332.19,15635.87
  TOP keep-out region: 34.55,-43.3 44.15,-43.3 44.15,-71.3 34.55,-71.3 34.55,-43.3 16332.19,15635.87
  TOP keep-out region: 14.85,-43.3 24.45,-43.3 24.45,-71.3 14.85,-71.3 14.85,-43.3 16332.19,15635.87
  TOP keep-out region: -4.85,-43.3 4.75,-43.3 4.75,-71.3 -4.85,-71.3 -4.85,-43.3 16332.19,15635.87
  TOP keep-out region: -24.55,-43.3 -14.95,-43.3 -14.95,-71.3 -24.55,-71.3 -24.55,-43.3 16332.19,15635.87
  TOP keep-out region: 34.55,71.3 44.15,71.3 44.15,43.3 34.55,43.3 34.55,71.3 16332.19,15635.87
  TOP keep-out region: 14.85,71.3 24.45,71.3 24.45,43.3 14.85,43.3 14.85,71.3 16332.19,15635.87
  TOP keep-out region: -4.85,71.3 4.75,71.3 4.75,43.3 -4.85,43.3 -4.85,71.3 16332.19,15635.87
  TOP keep-out region: -24.55,71.3 -14.95,71.3 -14.95,43.3 -24.55,43.3 -24.55,71.3 16332.19,15635.87
  TOP keep-out region: -44.25,-43.3 -34.65,-43.3 -34.65,-71.3 -44.25,-71.3 -44.25,-43.3 16332.19,15635.87
  TOP keep-out region: -44.25,71.3 -34.65,71.3 -34.65,43.3 -44.25,43.3 -44.25,71.3 16332.19,15635.87
  silkscreen extent -82,-100 81,61
LCC16_3X3MM_67DIE_39H#1 [mil] "LCC16_3X3MM_67DIE_39H"
  oct 33.3x33.3 smd rot 93: 1(-57,29.6) 2(-57,9.9) 3(-57,-9.8) 4(-57,-29.5) 5(-29.6,-57) 6(-9.9,-57) 7(9.8,-57) 8(29.5,-57) 9(57,-29.6) 10(57,-9.9) 11(57,9.8) 12(57,29.5) 13(29.6,57) 14(9.9,57) 15(-9.8,57) 16(-29.5,57)
  rect 67x67 smd: 17(0,0)
  TOP keep-out region: 630 vertices and 0 holes, not listed, extent -16193.76,-72 72,18783.97
  silkscreen extent -122,-62 62,62
LCC16_3X3MM_67DIE_39H#2 [mil] "LCC16_3X3MM_67DIE_39H"
  oct 33.3x33.3 smd rot 3: 1(-57,29.6) 2(-57,9.9) 3(-57,-9.8) 4(-57,-29.5) 5(-29.6,-57) 6(-9.9,-57) 7(9.8,-57) 8(29.5,-57) 9(57,-29.6) 10(57,-9.9) 11(57,9.8) 12(57,29.5) 13(29.6,57) 14(9.9,57) 15(-9.8,57) 16(-29.5,57)
  rect 67x67 smd: 17(0,0)
  TOP keep-out region: 630 vertices and 0 holes, not listed, extent -16565.06,-15822.06 72,72
  silkscreen extent -122,-62 62,62
LCC25_S41_5DF89X89MA#1 [mm] "LCC25_S41_5DF89X89MA"
  oct 0.846x0.846 smd rot 93: 1(-1.905,1.25) 2(-1.905,0.75) 3(-1.905,0.25) 4(-1.905,-0.25) 5(-1.905,-0.75) 6(-1.905,-1.25) 7(-1.25,-1.905) 8(-0.75,-1.905) 9(-0.25,-1.905) 10(0.25,-1.905) 11(0.75,-1.905) 12(1.25,-1.905) 13(1.905,-1.25) 14(1.905,-0.75) 15(1.905,-0.25) 16(1.905,0.25) 17(1.905,0.75) 18(1.905,1.25) 19(1.25,1.905) 20(0.75,1.905) 21(0.25,1.905) 22(-0.25,1.905) 23(-0.75,1.905) 24(-1.25,1.905)
  rect 2.261x2.261 smd: 25(0,0)
  silkscreen extent -2.59,-2.05 2.05,2.54
LCC25_S41_5DF89X89MA#2 [mm] "LCC25_S41_5DF89X89MA"
  oct 0.846x0.846 smd rot 3: 1(-1.905,1.25) 2(-1.905,0.75) 3(-1.905,0.25) 4(-1.905,-0.25) 5(-1.905,-0.75) 6(-1.905,-1.25) 7(-1.25,-1.905) 8(-0.75,-1.905) 9(-0.25,-1.905) 10(0.25,-1.905) 11(0.75,-1.905) 12(1.25,-1.905) 13(1.905,-1.25) 14(1.905,-0.75) 15(1.905,-0.25) 16(1.905,0.25) 17(1.905,0.75) 18(1.905,1.25) 19(1.25,1.905) 20(0.75,1.905) 21(0.25,1.905) 22(-0.25,1.905) 23(-0.75,1.905) 24(-1.25,1.905)
  rect 2.261x2.261 smd: 25(0,0)
  silkscreen extent -2.59,-2.05 2.05,2.54
LCC32_P5MM_3P2SQ_NONC [mil] "LCC32_P5MM_3P2SQ_NONC"
  rect 24x12 smd: 1(-91.9,68.9) 2(-91.9,49.2) 3(-91.9,29.5) 4(-91.9,9.9) 5(-91.9,-9.8) 6(-91.9,-29.5) 7(-91.9,-49.2) 8(-91.9,-68.9) 17(91.9,-68.9) 18(91.9,-49.2) 19(91.9,-29.5) 20(91.9,-9.9) 21(91.9,9.8) 22(91.9,29.5) 23(91.9,49.2) 24(91.9,68.9)
  rect 12x24 smd: 9(-68.9,-91.9) 10(-49.2,-91.9) 11(-29.5,-91.9) 12(-9.9,-91.9) 13(9.8,-91.9) 14(29.5,-91.9) 15(49.2,-91.9) 16(68.9,-91.9) 25(68.9,91.9) 26(49.2,91.9) 27(29.5,91.9) 28(9.9,91.9) 29(-9.8,91.9) 30(-29.5,91.9) 31(-49.2,91.9) 32(-68.9,91.9)
  rect 126x126 smd: 33(0,0)
  TOP keep-out region: 55.6,-79.9 55.6,-103.9 62.4,-103.9 62.4,-79.9 55.6,-79.9 -14472.06,18990.06
  TOP keep-out region: 35.9,-79.9 35.9,-103.9 42.7,-103.9 42.7,-79.9 35.9,-79.9 -14472.06,18990.06
  TOP keep-out region: 16.3,-79.9 16.3,-103.9 23.1,-103.9 23.1,-79.9 16.3,-79.9 -14472.06,18990.06
  TOP keep-out region: -3.4,-79.9 -3.4,-103.9 3.4,-103.9 3.4,-79.9 -3.4,-79.9 -14472.06,18990.06
  TOP keep-out region: -23.1,-79.9 -23.1,-103.9 -16.3,-103.9 -16.3,-79.9 -23.1,-79.9 -14472.06,18990.06
  TOP keep-out region: -42.8,-79.9 -42.8,-103.9 -36,-103.9 -36,-79.9 -42.8,-79.9 -14472.06,18990.06
  TOP keep-out region: 55.6,103.9 55.6,79.9 62.5,79.9 62.5,103.9 55.6,103.9 -14472.06,18990.06
  TOP keep-out region: 35.9,103.9 35.9,79.9 42.9,79.9 42.9,103.9 35.9,103.9 -14472.06,18990.06
  TOP keep-out region: 16.3,103.9 16.3,79.9 23.2,79.9 23.2,103.9 16.3,103.9 -14472.06,18990.06
  TOP keep-out region: -3.4,103.9 -3.4,79.9 3.5,79.9 3.5,103.9 -3.4,103.9 -14472.06,18990.06
  TOP keep-out region: -23.1,103.9 -23.1,79.9 -16.2,79.9 -16.2,103.9 -23.1,103.9 -14472.06,18990.06
  TOP keep-out region: -42.8,103.9 -42.8,79.9 -35.9,79.9 -35.9,103.9 -42.8,103.9 -14472.06,18990.06
  TOP keep-out region: 79.9,-55.5 79.9,-62.5 103.9,-62.5 103.9,-55.5 79.9,-55.5 -14472.06,18990.06
  TOP keep-out region: 79.9,-35.9 79.9,-42.9 103.9,-42.9 103.9,-35.9 79.9,-35.9 -14472.06,18990.06
  TOP keep-out region: 79.9,-16.2 79.9,-23.2 103.9,-23.2 103.9,-16.2 79.9,-16.2 -14472.06,18990.06
  TOP keep-out region: 79.9,3.5 79.9,-3.5 103.9,-3.5 103.9,3.5 79.9,3.5 -14472.06,18990.06
  TOP keep-out region: 79.9,23.2 79.9,16.2 103.9,16.2 103.9,23.2 79.9,23.2 -14472.06,18990.06
  TOP keep-out region: 79.9,42.9 79.9,35.9 103.9,35.9 103.9,42.9 79.9,42.9 -14472.06,18990.06
  TOP keep-out region: -103.9,-55.5 -103.9,-62.5 -79.9,-62.5 -79.9,-55.5 -103.9,-55.5 -14472.06,18990.06
  TOP keep-out region: -103.9,-35.9 -103.9,-42.9 -79.9,-42.9 -79.9,-35.9 -103.9,-35.9 -14472.06,18990.06
  TOP keep-out region: -103.9,-16.2 -103.9,-23.2 -79.9,-23.2 -79.9,-16.2 -103.9,-16.2 -14472.06,18990.06
  TOP keep-out region: -103.9,3.5 -103.9,-3.5 -79.9,-3.5 -79.9,3.5 -103.9,3.5 -14472.06,18990.06
  TOP keep-out region: -103.9,23.2 -103.9,16.2 -79.9,16.2 -79.9,23.2 -103.9,23.2 -14472.06,18990.06
  TOP keep-out region: -103.9,42.9 -103.9,35.9 -79.9,35.9 -79.9,42.9 -103.9,42.9 -14472.06,18990.06
  TOP keep-out region: -62.5,-79.9 -62.5,-103.9 -55.7,-103.9 -55.7,-79.9 -62.5,-79.9 -14472.06,18990.06
  TOP keep-out region: 79.9,62.6 79.9,55.6 103.9,55.6 103.9,62.6 79.9,62.6 -14472.06,18990.06
  TOP keep-out region: -103.9,62.6 -103.9,55.6 -79.9,55.6 -79.9,62.6 -103.9,62.6 -14472.06,18990.06
  TOP keep-out region: -62.5,103.9 -62.5,79.9 -55.6,79.9 -55.6,103.9 -62.5,103.9 -14472.06,18990.06
  silkscreen extent -143,-110 110,143
NPIN787 [mm] "NPIN787"
  round 3.4 / inner round 3.016 / far side round 3.4 hole 2: 1(0,0)
QFN24P_5M_4X4M [mm] "QFN24P_5M_4X4M"
  oct 0.846x0.846 smd rot 3: 1(-1.975,1.25) 2(-1.975,0.75) 3(-1.975,0.25) 4(-1.975,-0.25) 5(-1.975,-0.75) 6(-1.975,-1.25) 7(-1.25,-1.975) 8(-0.75,-1.975) 9(-0.25,-1.975) 10(0.25,-1.975) 11(0.75,-1.975) 12(1.25,-1.975) 13(1.975,-1.25) 14(1.975,-0.75) 15(1.975,-0.25) 16(1.975,0.25) 17(1.975,0.75) 18(1.975,1.25) 19(1.25,1.975) 20(0.75,1.975) 21(0.25,1.975) 22(-0.25,1.975) 23(-0.75,1.975) 24(-1.25,1.975)
  rect 2.7x2.7 smd: 25(0,0)
  silkscreen extent -3.02,-2.07 2.07,2.07
R0201#1 [mil] "R0201"
  rrect33% 12x13 smd: 1(0,10.5) 2(0,-10.5)
  TOP keep-out region: -10,4 -10,-4 10,-4 10,4 -10,4 -18561.48,-16194.29
R0201#2 [mil] "R0201"
  rrect33% 12x13 smd: 1(0,10.5) 2(0,-10.5)
  TOP keep-out region: -10,4 -10,-4 10,-4 10,4 -10,4 16234.6,-18552.11
R0201#3 [mil] "R0201"
  rrect33% 12x13 smd: 1(0,10.5) 2(0,-10.5)
  TOP keep-out region: -10,4 -10,-4 10,-4 10,4 -10,4 14443.32,-18850.82
RCPT_USB_5P_DIP_SM [mil] "RCPT_USB_5P_DIP_SM"
  rect 16x53 smd rot 179.94: 1(-51.18,52.92) 2(-25.59,52.92) 3(0,52.92) 4(25.59,52.92) 5(51.18,52.92)
  rect 75x75 smd: MT1(-47.28,-52.4) MT2(47.28,-52.4)
  oval 52x100 hole 28: MT3(-128.34,-52.4) MT4(128.34,-52.4)
  rect 63x55 smd: MT5(-125.98,44.06) MT6(127.95,44.06)
  silkscreen extent -148,-163 148,145
SCR_27X17MA [mil] "SCR_27X17MA"
  rect 45x33 smd: 1(0,60.04) 2(0,-60.04)
  silkscreen extent -87,-26 33,26
SMC0201#1 [mil] "SMC0201"
  rrect33% 13x12 smd: 1(-10.5,0) 2(10.5,0)
  TOP keep-out region: -4,10 4,10 4,-10 -4,-10 -4,10 -18825.52,-16310.01
SMC0201#2 [mil] "SMC0201"
  rrect33% 13x12 smd: 1(-10.5,0) 2(10.5,0)
  TOP keep-out region: -4,10 4,10 4,-10 -4,-10 -4,10 15520.53,-18605.85
SMC0201#3 [mil] "SMC0201"
  rrect33% 13x12 smd: 1(-10.5,0) 2(10.5,0)
  TOP keep-out region: -4,10 4,10 4,-10 -4,-10 -4,10 15682.06,-16555.06
SMC0402#1 [mil] "SMC0402"
  oct 33.3x33.3 smd rot 3: 1(0,17.5) 2(0,-17.5)
  TOP lines w1: -10,-7.5 -10,7.5 10,7.5 10,-7.5 -10,-7.5
  TOP keep-out region: -10,7.5 10,7.5 10,-7.5 -10,-7.5 -10,7.5 -16361.76,-15503.03
  silkscreen extent -15,-18 15,18
SMC0402#2 [mil] "SMC0402"
  oct 33.3x33.3 smd rot 93: 1(0,17.5) 2(0,-17.5)
  TOP keep-out region: -10,-7.5 10,-7.5 10,7.5 -10,7.5 -10,-7.5 15717.38,-18263.55
  TOP keep-out region: -10,7.5 10,7.5 10,-7.5 -10,-7.5 -10,7.5 15717.38,-18263.55
  silkscreen extent -15,-18 15,18
SMC0402#3 [mil] "SMC0402"
  oct 33.3x33.3 smd rot 3: 1(0,17.5) 2(0,-17.5)
  TOP keep-out region: -10,-7.5 10,-7.5 10,7.5 -10,7.5 -10,-7.5 18487.74,15823.46
  TOP keep-out region: -10,7.5 10,7.5 10,-7.5 -10,-7.5 -10,7.5 18487.74,15823.46
  silkscreen extent -15,-18 15,18
SMC0402#4 [mil] "SMC0402"
  oct 33.3x33.3 smd rot 3: 1(0,17.5) 2(0,-17.5)
  TOP keep-out region: -10,-7.5 10,-7.5 10,7.5 -10,7.5 -10,-7.5 18389.31,15813.62
  TOP keep-out region: -10,7.5 10,7.5 10,-7.5 -10,-7.5 -10,7.5 18389.31,15813.62
  silkscreen extent -15,-18 15,18
SMC0603_HI_VALUE#1 [mm] "SMC0603_HI_VALUE"
  oct 0.846x0.846 smd rot 3: 1(0,0.602) 2(0,-0.602)
  TOP keep-out region: -0.381,0.254 -0.381,-0.254 0.381,-0.254 0.381,0.254 -0.381,0.254 473.348,409.643
  silkscreen extent -0.62,-0.7 0.62,0.7
SMC0603_HI_VALUE#2 [mm] "SMC0603_HI_VALUE"
  oct 0.846x0.846 smd rot 3: 1(0,0.602) 2(0,-0.602)
  TOP keep-out region: -0.381,0.254 -0.381,-0.254 0.381,-0.254 0.381,0.254 -0.381,0.254 484.38,406.546
  silkscreen extent -0.62,-0.7 0.62,0.7
SMC0603_HI_VALUE#3 [mm] "SMC0603_HI_VALUE"
  oct 0.846x0.846 smd rot 93: 1(0,0.602) 2(0,-0.602)
  TOP keep-out region: -0.381,0.254 -0.381,-0.254 0.381,-0.254 0.381,0.254 -0.381,0.254 -405.008,417.536
  silkscreen extent -0.62,-0.7 0.62,0.7
SMC0805 [mil] "SMC0805"
  rect 50x60 smd: 1(0,45) 2(0,-45)
  silkscreen extent -38,-45 38,45
SMF0402 [mil] "SMF0402"
  rect 20x20 smd: 1(-17.5,0) 2(17.5,0)
  silkscreen extent -22,-27 22,27
SML0805#1 [mil] "SML0805"
  rect 50x60 smd: 1(0,40) 2(0,-40)
  TOP keep-out region: 25,70 25,43.5 33.5,43.5 33.5,-43.5 25,-43.5 25,-70 -25,-70 -25,-43.5 -33.5,-43.5 -33.5,43.5 -25,43.5 -25,70 25,70 16026.44,-18704.6
  silkscreen extent -34,-44 34,44
SML0805#2 [mil] "SML0805"
  rect 50x60 smd: 1(0,40) 2(0,-40)
  TOP keep-out region: 25,70 25,43.5 33.5,43.5 33.5,-43.5 25,-43.5 25,-70 -25,-70 -25,-43.5 -33.5,-43.5 -33.5,43.5 -25,43.5 -25,70 25,70 16400.06,15822.06
  silkscreen extent -34,-44 33,44
SMLED0402#1 [mil] "SMLED0402"
  rect 20x28 smd: 1(0,21.87) 2(0,-21.87)
  TOP keep-out region: -10,35.87 -10,19.68 -11.81,19.68 -11.81,-19.68 -10,-19.68 -10,-35.87 10,-35.87 10,-19.68 11.81,-19.68 11.81,19.68 10,19.68 10,35.87 -10,35.87 15810,-16165.13
  silkscreen extent -20,-20 62,37
SMLED0402#2 [mil] "SMLED0402"
  rect 20x28 smd: 1(0,21.87) 2(0,-21.87)
  TOP keep-out region: -10,35.87 -10,19.69 -11.81,19.69 -11.81,-19.69 -10,-19.69 -10,-35.87 10,-35.87 10,-19.69 11.81,-19.69 11.81,19.69 10,19.69 10,35.87 -10,35.87 15419,-16596.13
  silkscreen extent -21,-20 20,93
SMLED0402#3 [mil] "SMLED0402"
  rect 20x28 smd: 1(0,21.87) 2(0,-21.87)
  TOP keep-out region: -10,35.87 -10,19.69 -11.81,19.69 -11.81,-19.68 -10,-19.68 -10,-35.87 10,-35.87 10,-19.68 11.81,-19.68 11.81,19.69 10,19.69 10,35.87 -10,35.87 16300.4,15856.8
  silkscreen extent -21,-20 20,93
SMR0201#1 [mil] "SMR0201"
  rrect33% 12x13 smd: 1(0,10.5) 2(0,-10.5)
  TOP keep-out region: -7,4 -7,-4 7,-4 7,4 -7,4 -16211.87,16388.4
SMR0201#2 [mil] "SMR0201"
  rrect33% 12x13 smd: 1(0,10.5) 2(0,-10.5)
  TOP keep-out region: -7,4 -7,-4 7,-4 7,4 -7,4 16302.7,15511.34
SMR0201#3 [mil] "SMR0201"
  rrect33% 12x13 smd: 1(0,10.5) 2(0,-10.5)
  TOP keep-out region: -7,4 -7,-4 7,-4 7,4 -7,4 17237.43,16072.37
SMR0201#4 [mil] "SMR0201"
  rrect33% 12x13 smd: 1(0,10.5) 2(0,-10.5)
  TOP keep-out region: -7,4 -7,-4 7,-4 7,4 -7,4 17276.95,16072.37
SMR0201#5 [mil] "SMR0201"
  rrect33% 12x13 smd: 1(0,10.5) 2(0,-10.5)
  TOP keep-out region: -7,4 -7,-4 7,-4 7,4 -7,4 17316.48,16072.37
SMR0201#6 [mil] "SMR0201"
  rrect33% 12x13 smd: 1(0,10.5) 2(0,-10.5)
  TOP keep-out region: -7,4 -7,-4 7,-4 7,4 -7,4 17356.01,16072.37
SMR0201#7 [mil] "SMR0201"
  rrect33% 12x13 smd: 1(0,10.5) 2(0,-10.5)
  TOP keep-out region: -7,4 -7,-4 7,-4 7,4 -7,4 17395.54,16072.37
SMR0201#8 [mil] "SMR0201"
  rrect33% 12x13 smd: 1(0,10.5) 2(0,-10.5)
  TOP keep-out region: -7,4 -7,-4 7,-4 7,4 -7,4 17435.06,16072.37

## Text inside footprints (layer, text, board x,y; h text height)
R73: CONSTRUCTION "LPID 1864" at 466.395,401.63 h0.2 r270; CONSTRUCTION "REV 3" at 466.235,401.594 h0.2 r270; CONSTRUCTION "1" at 466.257,401.721 h0.2; CONSTRUCTION "2" at 466.257,401.188 h0.2
R74: CONSTRUCTION "LPID 1864" at 472.43,396.777 h0.2; CONSTRUCTION "REV 3" at 472.466,396.617 h0.2; CONSTRUCTION "2" at 472.791,396.721 h0.2 r90; CONSTRUCTION "1" at 472.257,396.721 h0.2 r90
R75: CONSTRUCTION "LPID 1864" at 471.894,394.38 h0.2 r270; CONSTRUCTION "REV 3" at 471.734,394.344 h0.2 r270; CONSTRUCTION "2" at 471.757,393.938 h0.2; CONSTRUCTION "1" at 471.757,394.471 h0.2
R76: CONSTRUCTION "LPID 1864" at 470.394,394.38 h0.2 r270; CONSTRUCTION "REV 3" at 470.235,394.344 h0.2 r270; CONSTRUCTION "2" at 470.257,393.938 h0.2; CONSTRUCTION "1" at 470.257,394.471 h0.2
R77: CONSTRUCTION "LPID 1864" at 468.895,394.38 h0.2 r270; CONSTRUCTION "REV 3" at 468.735,394.344 h0.2 r270; CONSTRUCTION "2" at 468.757,393.938 h0.2; CONSTRUCTION "1" at 468.757,394.471 h0.2
R78: CONSTRUCTION "LPID 1864" at 467.395,394.38 h0.2 r270; CONSTRUCTION "REV 3" at 467.235,394.344 h0.2 r270; CONSTRUCTION "2" at 467.257,393.938 h0.2; CONSTRUCTION "1" at 467.257,394.471 h0.2
R79: CONSTRUCTION "LPID 1864" at 465.895,394.38 h0.2 r270; CONSTRUCTION "REV 3" at 465.735,394.344 h0.2 r270; CONSTRUCTION "2" at 465.757,393.938 h0.2; CONSTRUCTION "1" at 465.757,394.471 h0.2
R80: CONSTRUCTION "LPID 1864" at 472.657,416.092 h0.2 r270; CONSTRUCTION "REV 3" at 472.497,416.057 h0.2 r270; CONSTRUCTION "1" at 472.52,416.184 h0.2; CONSTRUCTION "2" at 472.52,415.65 h0.2
R81: CONSTRUCTION "LPID 1864" at 417.827,396.125 h0.2 r270; CONSTRUCTION "REV 3" at 417.667,396.09 h0.2 r270; CONSTRUCTION "1" at 417.69,396.217 h0.2; CONSTRUCTION "2" at 417.69,395.683 h0.2
R82: CONSTRUCTION "REV12" at 393.675,401.965 h1.02 r270; CONSTRUCTION "1" at 394.792,400.365 h0.64; CONSTRUCTION "2" at 394.792,399.476 h0.64
R83: CONSTRUCTION "REV12" at 387.425,401.965 h1.02 r270; CONSTRUCTION "1" at 388.542,400.365 h0.64; CONSTRUCTION "2" at 388.542,399.476 h0.64
R84: CONSTRUCTION "REV12" at 381.175,401.965 h1.02 r270; CONSTRUCTION "2" at 382.292,399.476 h0.64; CONSTRUCTION "1" at 382.292,400.365 h0.64
R85: CONSTRUCTION "LPID 1864" at 406.954,399.633 h0.2 r90; CONSTRUCTION "REV 3" at 407.114,399.669 h0.2 r90; CONSTRUCTION "1" at 406.928,399.542 h0.2 r180; CONSTRUCTION "2" at 406.928,400.075 h0.2 r180
R86: CONSTRUCTION "REV12" at 409.876,402.951 h1.02 r180; CONSTRUCTION "2" at 407.132,401.579 h0.64 r270; CONSTRUCTION "1" at 408.021,401.579 h0.64 r270
R87: CONSTRUCTION "LPID 1864" at 417.401,389.727 h0.2 r90; CONSTRUCTION "REV 3" at 417.561,389.763 h0.2 r90; CONSTRUCTION "2" at 417.376,390.169 h0.2 r180; CONSTRUCTION "1" at 417.376,389.636 h0.2 r180
R88: CONSTRUCTION "REV12" at 420.37,392.989 h1.02 r180; CONSTRUCTION "2" at 417.627,391.617 h0.64 r270; CONSTRUCTION "1" at 418.516,391.617 h0.64 r270
R89: CONSTRUCTION "LPID 1864" at 442.691,377.535 h0.2 r90; CONSTRUCTION "REV 3" at 442.851,377.571 h0.2 r90; CONSTRUCTION "2" at 442.666,377.977 h0.2 r180; CONSTRUCTION "1" at 442.666,377.444 h0.2 r180
R90: CONSTRUCTION "LPID 1864" at 440.151,377.535 h0.2 r90; CONSTRUCTION "REV 3" at 440.311,377.571 h0.2 r90; CONSTRUCTION "2" at 440.126,377.977 h0.2 r180; CONSTRUCTION "1" at 440.126,377.444 h0.2 r180
R91: CONSTRUCTION "LPID 1864" at 435.046,377.535 h0.2 r90; CONSTRUCTION "REV 3" at 435.206,377.571 h0.2 r90; CONSTRUCTION "2" at 435.021,377.977 h0.2 r180; CONSTRUCTION "1" at 435.021,377.444 h0.2 r180
R92: CONSTRUCTION "LPID 1864" at 451.81,377.535 h0.2 r90; CONSTRUCTION "REV 3" at 451.97,377.571 h0.2 r90; CONSTRUCTION "2" at 451.785,377.977 h0.2 r180; CONSTRUCTION "1" at 451.785,377.444 h0.2 r180
R93: CONSTRUCTION "LPID 1864" at 474.63,397.277 h0.2; CONSTRUCTION "REV 3" at 474.666,397.117 h0.2; CONSTRUCTION "2" at 474.991,397.221 h0.2 r90; CONSTRUCTION "1" at 474.457,397.221 h0.2 r90
R94: CONSTRUCTION "LPID 1864" at 474.63,392.977 h0.2; CONSTRUCTION "REV 3" at 474.666,392.817 h0.2; CONSTRUCTION "2" at 474.991,392.921 h0.2 r90; CONSTRUCTION "1" at 474.457,392.921 h0.2 r90
R95: CONSTRUCTION "LPID 1864" at 477.727,383.648 h0.2; CONSTRUCTION "REV 3" at 477.763,383.488 h0.2; CONSTRUCTION "1" at 477.555,383.592 h0.2 r90; CONSTRUCTION "2" at 478.088,383.592 h0.2 r90
R96: CONSTRUCTION "LPID 1864" at 480.387,381.893 h0.2 r90; CONSTRUCTION "REV 3" at 480.547,381.929 h0.2 r90; CONSTRUCTION "2" at 480.361,382.335 h0.2 r180; CONSTRUCTION "1" at 480.361,381.802 h0.2 r180
R97: CONSTRUCTION "LPID 1864" at 490.039,394.72 h0.2 r90; CONSTRUCTION "REV 3" at 490.199,394.756 h0.2 r90; CONSTRUCTION "1" at 490.013,394.629 h0.2 r180; CONSTRUCTION "2" at 490.013,395.162 h0.2 r180
R98: CONSTRUCTION "LPID 1864" at 490.278,398.868 h0.2 r270; CONSTRUCTION "REV 3" at 490.118,398.832 h0.2 r270; CONSTRUCTION "1" at 490.14,398.959 h0.2; CONSTRUCTION "2" at 490.14,398.426 h0.2
R100: CONSTRUCTION "LPID 1864" at 399.996,410.595 h0.2 r90; CONSTRUCTION "REV 3" at 400.156,410.631 h0.2 r90; CONSTRUCTION "1" at 399.97,410.504 h0.2 r180; CONSTRUCTION "2" at 399.97,411.037 h0.2 r180
R102: CONSTRUCTION "LPID 1864" at 399.996,414.659 h0.2 r90; CONSTRUCTION "REV 3" at 400.156,414.695 h0.2 r90; CONSTRUCTION "1" at 399.97,414.568 h0.2 r180; CONSTRUCTION "2" at 399.97,415.101 h0.2 r180